# Altium PCB FPGA_SHIELD_MARK1_Single_Side.PcbDoc (part 1 of 3) (continued)
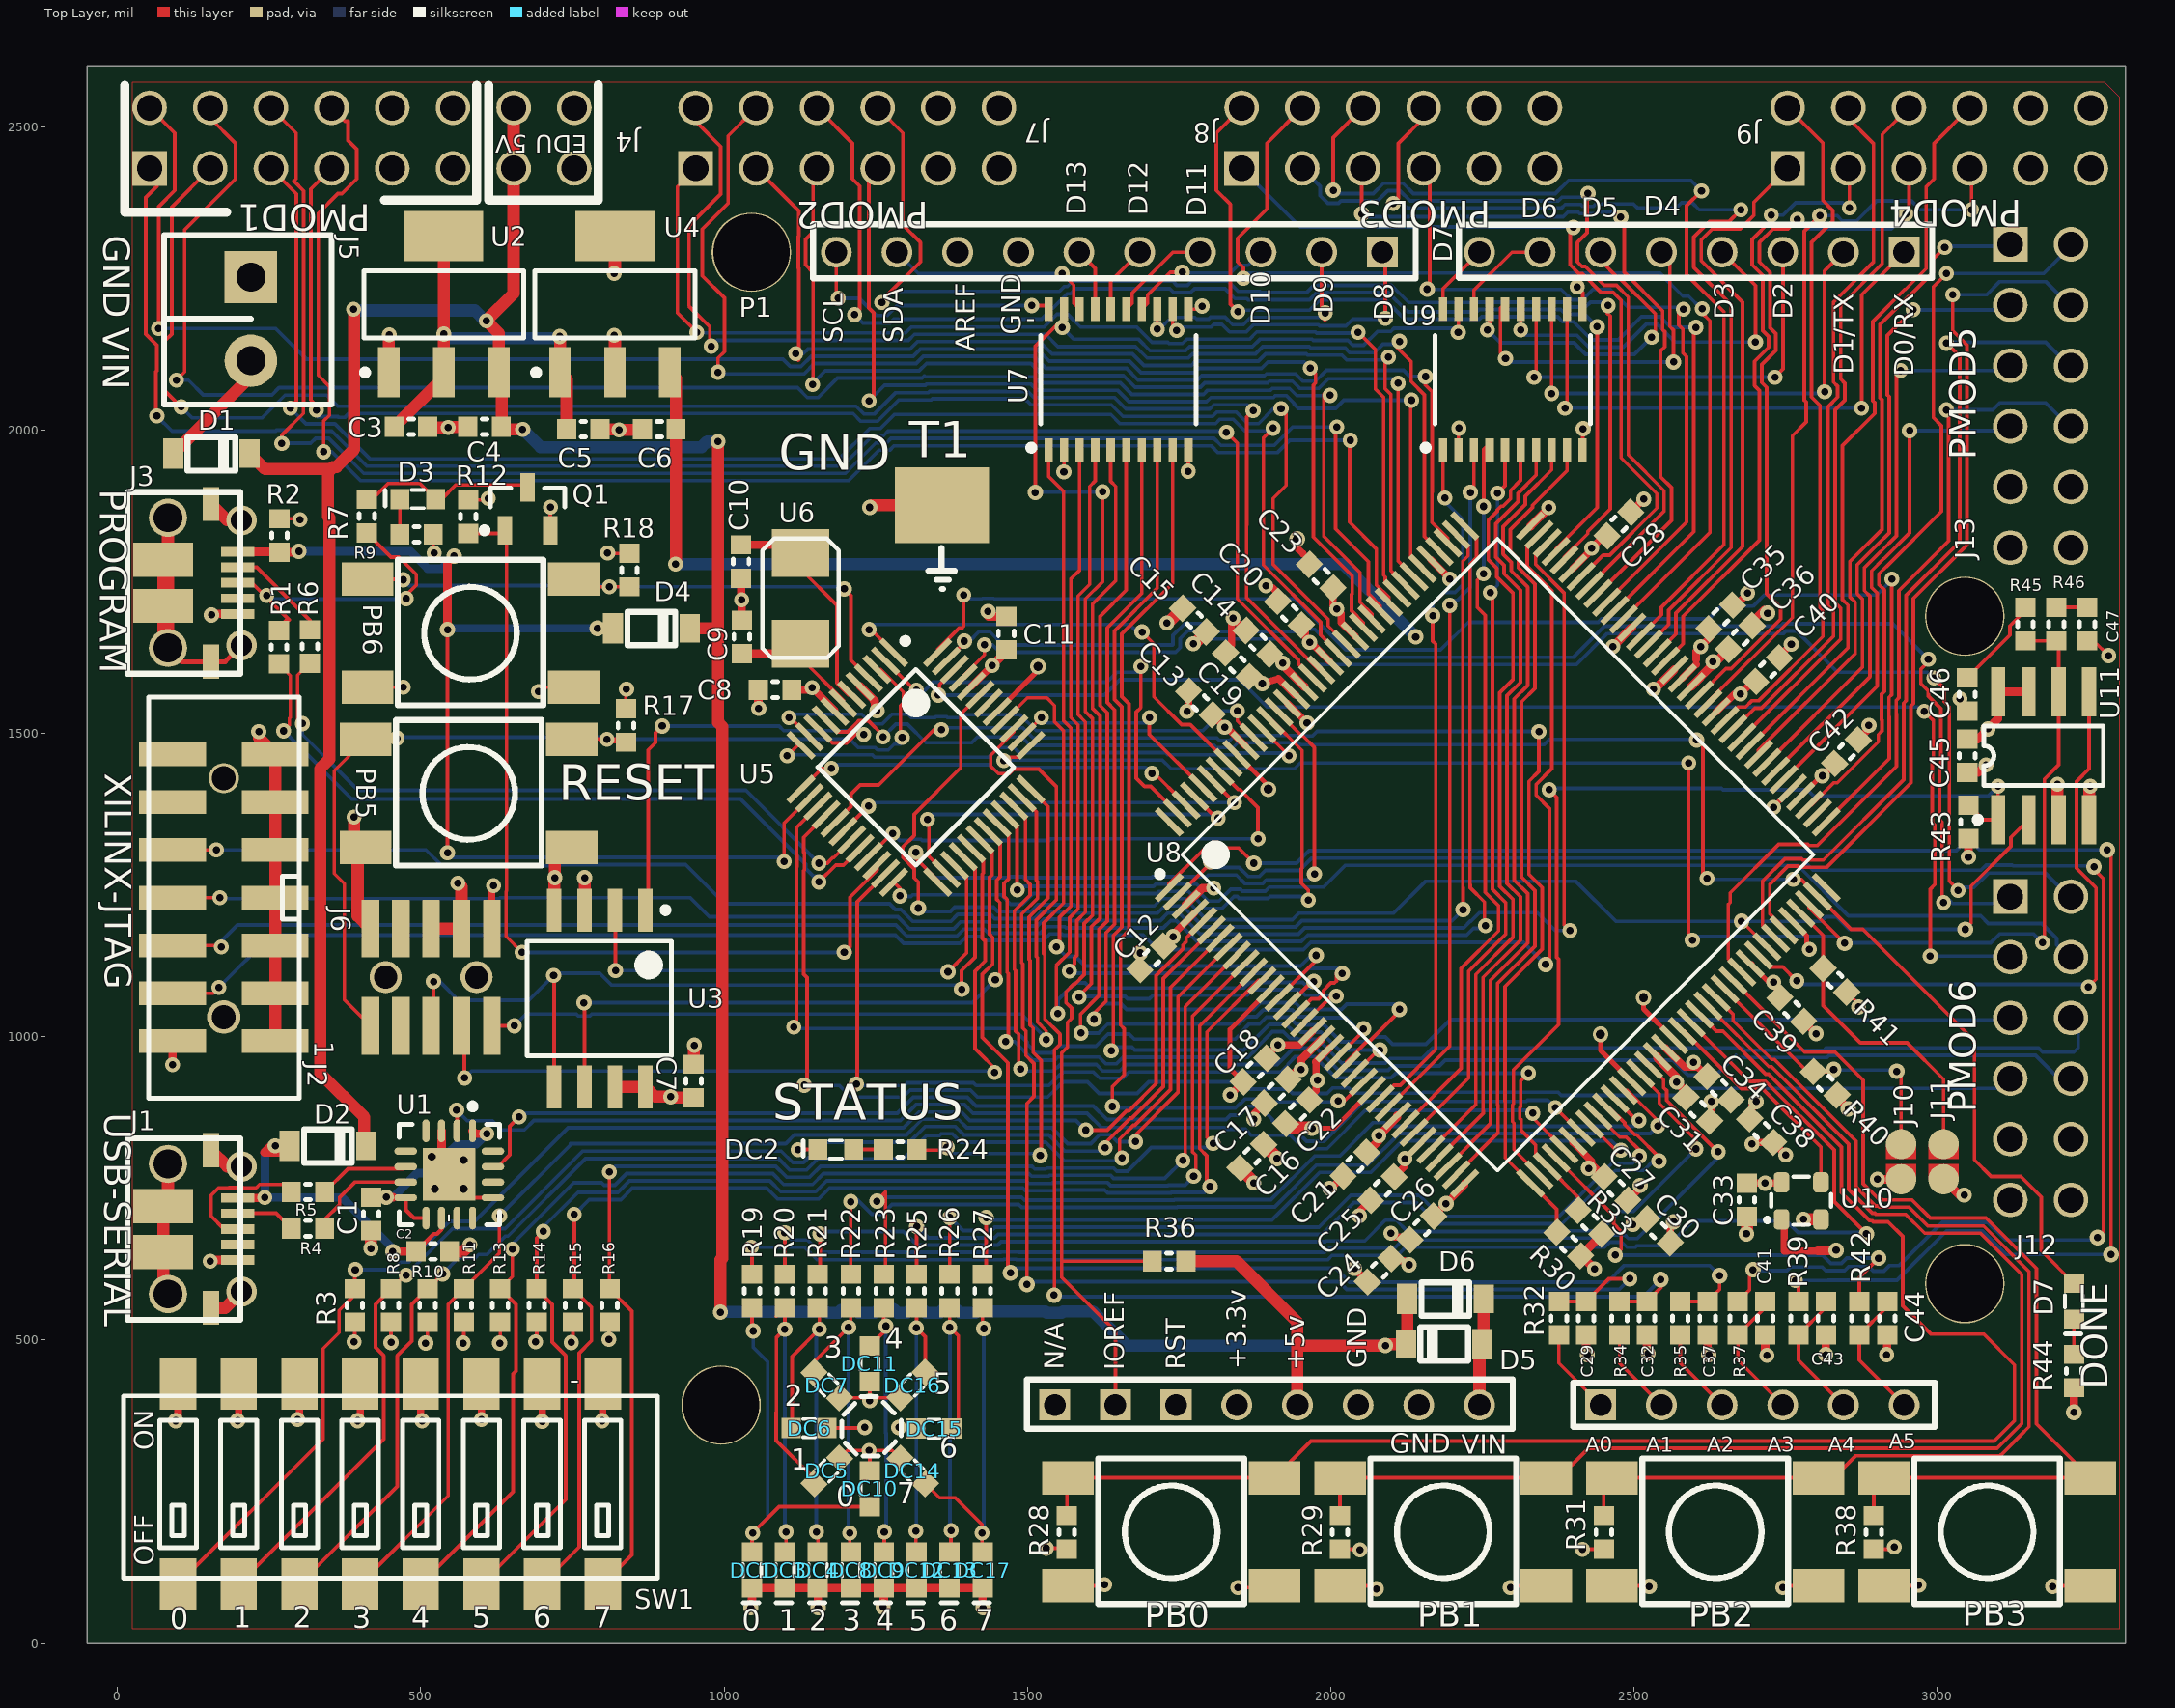
[diagram p0: Top Layer view]
## Footprints (in the part's own frame and the unit in brackets; to place one, negate y for a bottom-side part, rotate by r counter-clockwise, add the part's x,y. Pads: shape width x height; smd on the part's side, far side on the other; paste and mask are expansions set on the pad) (continued)
  silkscreen extent -10.7,-9.35 9.35,9.55, body extent -11.01,-11.01 11.02,11.02, height 1.6
TSQFP50P900X900X145-48L [mm] "TSQFP, 48-Leads, Body 9.1x9.1mm (max), Pitch 0.50mm, IPC High Density"
  rect 1.5x0.25 smd: 1(-4.05,2.75) 2(-4.05,2.25) 3(-4.05,1.75) 4(-4.05,1.25) 5(-4.05,0.75) 6(-4.05,0.25) 7(-4.05,-0.25) 8(-4.05,-0.75) 9(-4.05,-1.25) 10(-4.05,-1.75) 11(-4.05,-2.25) 12(-4.05,-2.75) 25(4.05,-2.75) 26(4.05,-2.25) 27(4.05,-1.75) 28(4.05,-1.25) 29(4.05,-0.75) 30(4.05,-0.25) 31(4.05,0.25) 32(4.05,0.75) 33(4.05,1.25) 34(4.05,1.75) 35(4.05,2.25) 36(4.05,2.75)
  rect 0.25x1.5 smd: 13(-2.75,-4.05) 14(-2.25,-4.05) 15(-1.75,-4.05) 16(-1.25,-4.05) 17(-0.75,-4.05) 18(-0.25,-4.05) 19(0.25,-4.05) 20(0.75,-4.05) 21(1.25,-4.05) 22(1.75,-4.05) 23(2.25,-4.05) 24(2.75,-4.05) 37(2.75,4.05) 38(2.25,4.05) 39(1.75,4.05) 40(1.25,4.05) 41(0.75,4.05) 42(0.25,4.05) 43(-0.25,4.05) 44(-0.75,4.05) 45(-1.25,4.05) 46(-1.75,4.05) 47(-2.25,4.05) 48(-2.75,4.05)
  silkscreen extent -4.17,-2.9 2.9,3.55, body extent -4.5,-4.5 4.5,4.5, height 1.4
TSSOP20 [mm] "TSSOP20"
  rect 1x0.35 smd: 1(-2.95,2.925) 2(-2.95,2.275) 3(-2.95,1.625) 4(-2.95,0.975) 5(-2.95,0.325) 6(-2.95,-0.325) 7(-2.95,-0.975) 8(-2.95,-1.625) 9(-2.95,-2.275) 10(-2.95,-2.925) 11(2.95,-2.925) 12(2.95,-2.275) 13(2.95,-1.625) 14(2.95,-0.975) 15(2.95,-0.325) 16(2.95,0.325) 17(2.95,0.975) 18(2.95,1.625) 19(2.95,2.275) 20(2.95,2.925)
  silkscreen extent -2.97,-3.25 1.85,3.77, body extent -3.14,-3.35 3.14,3.25, height 1.04

## Part data
C1 C2 C3 C4 C7 C8 C11 C29 C32 C33 C37 C41 C43 C44 C45 C46 C47: library part GRM188R71H104KA93D, "CAP CER .1UF 50V 10% X7R 0603"
C5 C6 C12 C13 C15 C16 C21 C22 C24 C26 C28 C30 C31 C34 C36 C38: library part GRM188R60J475KE19D, "CAP CER 4.7UF 6.3V X5R 0603"
C9 C10: library part GRM1885C1H180JA01D, "CAP CER 18PF 50V 5% C0G 0603"
C14 C17 C18 C19 C20 C23 C25 C27 C35 C39 C40 C42: library part GCM188R71E474KA64D, "CAP CER .47UF 25V X7R 0603"
D1 D2 D4 D5 D6: "DIODE SCHOTTKY 25V 1A SOD123"
D3 DC1 DC2 DC3 DC4 DC5 DC6 DC7 DC8 DC9 DC10 DC11 DC12 DC13 DC14 DC15 DC16 DC17: library part APT1608CGCK
D7: "LED 1.6X0.8MM 570NM GRN CLR SMD"
J1 J3: library part "10103594-0001LF - USB Micro", "CONN RCPT STD MICRO USB TYPE B"
J2: library part XILINX_JTAG, "CONN HEADER 14POS 2MM VERT SMD"
J4: library part "P-MOD - SSQ-108-02-G-D-RA-005", "SAMTEC - SSQ-108-02-G-D-RA-005 - 2MM SOCKET STRIPS"
J5: "TERM BLOCK 2POS SIDE ENT 3.5MM"
J6: library part "Cortex SWD  Connector", "Cortex SWD Connector"
J7 J8 J9 J12 J13: library part "P-MOD - SSQ-106-02-G-D-RA-005", "SAMTEC - SSQ-106-02-G-D-RA-005 - 2MM SOCKET STRIPS"
J10 J11: "Solder/Configuration Jumper"
P1: library part "Arduino Shield", "Arduino Duem Header"
PB0 PB1 PB2 PB3 PB5 PB6: library part FSM4JSMATR, "SWITCH TACTILE SPST-NO 0.05A 12V"
Q1: "MOSFET P-CH 30V 900MA SSOT3"
R1 R4 R5 R6: library part ERJ-3EKF33R0V, "RES 33.0 OHM 1/10W 1% 0603 SMD"
R2 R3 R8 R10 R11 R12 R13 R14 R15 R16 R17 R18 R28 R29 R30 R31 R32 R33 R34 R35 R38 R40 R41 R43: library part ERJ-3EKF1002V, "RES 10.0K OHM 1/10W 1% 0603 SMD"
R7: library part ERJ-3EKF1501V, "RES 1.50K OHM 1/10W 1% 0603 SMD"
R9 R19 R20 R21 R22 R23 R24 R25 R26 R27 R37 R39 R42 R44 R45 R46: library part ERJ-3EKF2000V, "RES 200 OHM 1/10W 1% 0603 SMD"
R36: library part ERJ-3GEY0R00V, "RES ZERO OHM 1/10W 5% 0603 SMD"
SW1: "SWITCH DIP SPST EXT ACT 8POS SMD"
T1: library part 5016
U1: library part FT230XQ-R, "IC USB SERIAL BASIC UART QFN-16"
U2: "IC REG LDO 3.3V 950MA SOT-223"
U3: library part M25PE16-VMW6TG, "IC FLASH 16MBIT 75MHZ 8SOIC"
U4: "IC LDO REG 1A 1.2V SOT223-3"
U5: "IC MCU 32BIT 32KB FLASH 48LQFP"
U6: library part ABM3-12.000MHZ-B2-T, "CRYSTAL 12.000MHZ 18PF SMD"
U7 U9: "IC 8-BIT TRNSTR 15KV ESD 20TSSOP"
U8: "IC FPAG SPARTAN 6 9K 144TQFP"
U10: "OSC MEMS 50.000 MHZ SMD"
U11: "IC FLASH 4MBIT 75MHZ 8SOIC"

## Via types
v1: diameter 25, hole 12, Top Layer to Bottom Layer, tented both sides, 386 vias
v2: diameter 25, hole 12, Top Layer to Bottom Layer, 37 vias
v3: diameter 26, hole 12, Top Layer to Bottom Layer, 16 vias
v4: diameter 26, hole 12, Top Layer to Bottom Layer, tented both sides, 12 vias
v5: diameter 26, hole 15, Top Layer to Bottom Layer, 5 vias
v6: diameter 25.98, hole 12.99, Top Layer to Bottom Layer, tented both sides, 4 vias

## Nets (pads, with @x,y where several pads share a name; then routed paths per layer and width w, separated by ;. In a path a pad name is that pad's centre, name@x,y a point inside that pad or via, vN(x,y) a via of type N, cw(c..) or ccw(c..) an arc to the next point about the centre after c; other vN are vias at no path point)
1V2: C6.2 C14.2 C17.2 C21.2 C31.2 C36.2 U4.3 U8.19 U8.28 U8.52 U8.89 U8.128 | length 4700.6
  Top Layer w14: v1@1925.95,1607.29 U8.128@1956.25,1577 ; C17.2@1929.49,929.49 1946,946 v2(1951,946) 1951,962.08 U8.19@1984.08,995.16 ; C21.2@2059.49,809.49 2079,829 v2(2079,837) ; v2(2079,837) 2109.36,867.4 U8.28@2109.36,869.89 ; U8.52@2538.08,967.33 2538.08,964.83 2570,932.91 v1(2570,925) 2585.51,909.49 C31.2@2585.51,899.49 ; U8.89@2593.76,1577 v1@2626.76,1610 ; v1(2630,1618) 2635,1618 C36.2@2655.51,1638.51
  Top Layer w20: U4.3@910.55,2094.8 920.56,2084.79 C6.2@920.56,2001 920.56,1779.56 v2(920,1779)
  VCC w14: v1(1921,1616) 1988.33,1548.67 2063.17,1548.67 ; v2(1951,946) 1951,946.06 2043.44,1038.5 2043.5,1038.5 2090.5,1085.5 2090.5,1521.35 2063.17,1548.67 ; v2(2079,837) 2300.5,1058.5 2340,1058.5 ; v2(2140,1659) 2140,1625.5 ; 2241.09,1528.5 2353.56,1528.5 2377.97,1504.09 2516.09,1504.09 v1(2630,1618) ; v1(2570,925) 2570,941 2452.5,1058.5 2340,1058.5 ; 2063.17,1548.67 2140,1625.5 ; 2140,1625.5 2328.5,1437 2328.5,1108.44 2340,1096.94 2340,1058.5
  Bottom Layer w20: v2(920,1779) 2020,1779 v2(2140,1659)
3V3: C3.2 C5.2 C7.2 C8.2 C11.2 C12.2 C13.2 C15.2 C16.2 C18.2 C19.2 C20.2 C22.2 C23.2 C24.2 C25.2 C26.2 C27.2 C28.2 C30.2 C33.2 C34.2 C35.2 C38.2 C39.2 C40.2 C42.2 C45.1 C47.2 J2.2 J4.6 J4.12 J6.1 J7.6 J7.12 J8.6 J8.12 J9.6 J9.12 J12.6 J12.12 J13.6 J13.12 P1.A2 P1.D8 Q1.2 R12.2 R17.1 R18.1 R28.2 R29.2 R30.2 R31.2 R33.2 R38.2 R40.1 R41.2 R43.2 SW1.B1 SW1.B2 SW1.B3 SW1.B4 SW1.B5 SW1.B6 SW1.B7 SW1.B8 U2.2 U2.4 U3.3 U3.7 U3.8 U4.1 U5.8 U5.44 U7.2 U7.10 U8.4 U8.18 U8.20 U8.31 U8.36 U8.42 U8.53 U8.63 U8.76 U8.86 U8.90 U8.103 U8.122 U8.125 U8.129 U8.135 U9.2 U9.10 U10.1 U10.4 U11.3 U11.7 U11.8 | length 4297.5
  Top Layer w6: R12.2@578,1884.56 608.56,1884.56 v1(611,1887) ; Q1.2@713.4,1834.57 713.4,1872.4 v1(714,1873) ; v1(808,1797) 808.44,1796.56 R18.1@844,1796.56 ; R17.1@838,1540.56 838,1572 v1(839,1573) ; v1(1531,157) 1563.44,157 R28.2@1565,155.44 ; v1(1560,1931) 1560.43,1931.43 U7.2@1560.43,1966.86 ; v1(1765,1932) 1765.16,1932.16 U7.10@1765.16,1966.86 ; R29.2@2015,155.44 2046.56,155.44 v1(2048,154) ; U9.2@2210.43,1966.86 2210.43,2002.43 v1(2211,2003) ; v1(2415,155) 2415.44,155.44 R31.2@2450,155.44 ; U9.10@2415.16,1966.86 2415.16,2001.16 v1(2416,2002) ; C39.2@2740.51,1064.49 C39.2@2746.52,1070.5 ; R41.2@2850.49,1073.51 2870,1054 v2(2870,1049) ; R38.2@2895,155.44 2925.44,155.44 v1(2929,159) ; C47.2@3247,1652.44 3257.56,1652.44 v1(3282,1628)
  Top Layer w8: U8.63@2694.56,1120.44 U8.63@2691.19,1120.44 v1@2721.63,1090 ; U8.76@2774.71,1396.04 v1@2808.66,1430
  Top Layer w12: v1(96,367) 100,371 SW1.B1@100,428 ; v1(198,367) 200,369 SW1.B2@200,428 ; v1(297,369) 300,372 SW1.B3@300,428 ; v1(396,367) 400,371 SW1.B4@400,428 ; SW1.B5@500,428 500,369 v1(502,367) ; v1(600,369) SW1.B6@600,428 ; J6.1@617,1178 617,1246 v2(620,1249) ; v1(700,366) SW1.B7@700,428 ; v1(799,367) 800,368 SW1.B8@800,428 ; v1(1145,1575) U5.8@1182.37,1537.63 ; U5.44@1407.87,1577.87 v1(1442,1612) ; C12.2@1724.49,1149.49 v1@1745,1170 ; v1(1740,1165) v1@1745,1170 ; U8.4@1775.29,1203.96 1745,1173.66 v1@1745,1170 ; C15.2@1797.41,1664.44 C15.2@1801.49,1668.51 ; C13.2@1804.49,1530.51 v1(1825,1510) 1828.37,1510 U8.135@1858.81,1479.56 ; C19.2@1866.49,1602.51 v1(1887,1582) 1913.46,1590 1940.38,1563.08 U8.129@1942.33,1563.08 ; C18.2@1894.49,964.49 1894.49,968.49 v2(1912.65,986.65) 1947.73,986.65 U8.18@1970.17,1009.08 ; C22.2@1964.49,899.49 1975.5,910.5 1975.5,957.15 1975,957.65 1975,958.24 U8.20@1998,981.24 ; C20.2@1964.49,1680.51 1958,1674.02 1958,1657 v1(1965,1650) 1966.76,1650 U8.125@1998,1618.75 ; C23.2@2003.49,1739.51 2003.49,1711.51 v1(2010,1705) 2017.32,1697.68 2017.32,1682.95 U8.122@2039.76,1660.51 ; C24.2@2099.49,634.49 2103.43,630.55 2122.45,630.55 v1(2129,624) v1@2129,630.55 ; C25.2@2104.49,769.49 2122,787 v2(2122,799) 2123.5,800.5 v2@2125.5,800.5 ; C26.2@2165.48,700.48 C26.2@2169.49,704.49 v1(2190,725) 2220.71,755.71 U8.36@2220.71,758.53 ; U8.42@2398.88,828.13 2398.88,826.12 2430,795 ; U8.103@2398.88,1771.87 2430,1802.99 v1(2430,1805) 2450.51,1825.51 C28.2@2455.51,1825.51 ; v1(2425,783) 2425,790 2430,795 ; C27.2@2454.52,765.48 C27.2@2450.51,769.49 2430,790 2430,795 ; v1@2492,695.55 v1@2492,689 ; v1(2497.87,690.46) 2493.46,690.46 v1@2492,689 ; C30.2@2520.51,699.49 2516.57,695.55 2498.55,695.55 v1@2492,689 ; U8.53@2552,981.24 2583.24,950 v1@2590,950 ; U8.90@2579.84,1590.92 2602.27,1613.36 ; v1(2598,958) v1@2590,950 ; 2602.27,1621.36 2602.27,1635.27 v1(2610,1643) 2625.51,1658.51 C35.2@2625.51,1668.51 ; C34.2@2624.52,930.48 C34.2@2620.51,934.49 2605,950 v1@2590,950 ; U8.86@2635.51,1535.24 2665.27,1565 v1(2675,1565) 2695.51,1585.51 C40.2@2700.51,1585.51 ; C33.2@2686,758.56 v1(2716,758.56) 2741.54,758.56 U10.4@2743,760.02 ; C38.2@2690.51,864.49 2694.45,868.43 2694.45,886.45 v1(2701,893) v1@2694.45,893 ; v1(2730,1090) 2725,1090 2740.51,1074.49 C39.2@2740.51,1064.49 ; U10.1@2743,699 2747.44,694.56 2747.44,647 2802.56,647 ; v1@2808.66,1430 v1(2810,1430) C42.2@2830.51,1450.51
  Top Layer w14: J2.2@90.71,993 90.71,954.29 v1(91,954) ; C8.2@1111.56,1572 1142,1572 v1(1145,1575) ; v1(1442,1612) 1465,1635 C11.2@1465,1637.44 ; v1(2435,617) 2413.49,638.51 R30.2@2411.49,638.51 2446.55,673.57 R33.2@2446.55,674.99 ; 2802.56,647 2832,647 v2(2833,648) ; R40.1@2834.49,903.51 2834.49,899.51 v2(2853,881) ; C45.1@3049,1490.56 3066.56,1490.56 v1(3083.28,1507.28) 3100,1524 U11.8@3100,1568.32 U11.7@3150,1568.32 ; v1(3051,1296) R43.2@3051,1326.44
  Top Layer w20: C3.2@456.44,2005 538,2086.56 v1(538,2158) U2.4@538,2323.2 ; v1(729,2154) 729.45,2153.55 U4.1@729.45,2094.8 740.44,2083.8 C5.2@740.44,2001 ; U3.3@770,1208.67 v1(770,1262) ; U3.7@820,917.33 U3.8@870,917.33 886.33,901 v1(912,901) 913.56,899.44 C7.2@950,899.44 ; v2(1773.36,1647.5) 1775.08,1647.5 C15.2@1794.72,1667.13 ; C16.2@1889.49,822.49 1911.26,800.72 v2(1911.26,799.19) ; v1(3198,1416) 3198,1359.69 U11.3@3200,1357.69
  Bottom Layer w20: v1(538,2158) 544.5,2151.5 726.5,2151.5 v1(729,2154)
  other v2: 1978,928
+5V_USB: D4.2 J3.1 R2.2 U5.14 | length 1827.3
  Top Layer w6: v1(544,1303) v4(544,1671) ; v1(1099,1289) 1099,1352.27 U5.14@1140.62,1393.89
  Top Layer w14: J3.1@199.29,1799.18 266.26,1799.18 R2.2@267,1798.44 297.44,1798.44 v1(299,1800) ; v4(544,1671) 544,1781 v1(555,1792) ; v4(791,1673) D4.2@817.01,1673
  Bottom Layer w6: v1(544,1303) 551.5,1295.5 1092.5,1295.5 v1(1099,1289)
  Bottom Layer w14: v1(299,1800) 482.94,1800 511.44,1771.5 534.5,1771.5 v1(555,1792) ; v4(544,1671) 546,1673 v4(791,1673)
+5V_USB_FTDI: C2.2 D2.2 J1.1 U1.10 | length 562.4
  Top Layer w7: C2.2@492.44,646 521.44,675 527,675 534.2,682.2 U1.10@534.2,701.15
  Top Layer w14: J1.1@199.29,734.18 242.18,734.18 v1(243,735) ; v1(260,820) 253,820 242,809 D2.2@280.83,809 ; v1(454,646) C2.2@487.44,646
  Bottom Layer w14: v1(260,820) 253,820 242,809 243,808 v1(243,735) 370.06,735 454,651.06 v1(454,646)
ADD/D\A\T\A\: U5.25 U8.131 | length 1061.3
  Top Layer w6: v1(1316,1304) 1311,1299 1352.19,1257.81 U5.25@1352.19,1254.7 ; U8.131@1914.49,1535.24 1914.49,1533.11 1952.09,1495.5 1954.23,1495.5 1973,1476.73 v1(1973,1268)
  Bottom Layer w6: v1(1316,1304) 1311,1299 1348,1262 1470.59,1262 1472.09,1263.5 1491.91,1263.5 1493.41,1262 1704.77,1262 1706.27,1263.5 1795.09,1263.5 1798.09,1266.5 1844.42,1266.5 1858.92,1252 1887.08,1252 1893.58,1258.5 1963.5,1258.5 v1(1973,1268)
AN0: P1.B1 R32.2 | length 144
  Top Layer w6: R32.2@2376,508.44 2376,462 P1.B1@2445,393
AN1: P1.B2 R34.2 | length 144
  Top Layer w6: R34.2@2476,508.44 2476,462 P1.B2@2545,393
AN2: P1.B3 R35.2 | length 144
  Top Layer w6: R35.2@2576,508.44 2576,462 P1.B3@2645,393
DIP_SW0: R3.2 SW1.A1 U8.5 | length 2410.1
  Top Layer w6: SW1.A1@100,98 339,337 339,486 365.27,512.27 365.27,548.92 388,571.65 388,581.56 R3.2@391,584.56 391,615 v1(392,616) ; v1(1596,846) 1631.41,846 1663.34,877.94 1667.15,877.94 1712,922.79 1712,1100.61 1756.45,1145.06 1756.45,1151.05 1761.5,1156.09 1761.5,1162.33 U8.5@1789.21,1190.04
  Bottom Layer w6: v1(392,616) 454.41,616 455.5,617.09 466.86,628.46 480.3,628.46 547.34,695.5 588.56,695.5 743.06,850 1295.59,850 1321.59,876 1391.02,876 1405.02,862 1580,862 v1(1596,846)
DIP_SW1: R8.2 SW1.A2 U8.6 | length 2357.6
  Top Layer w6: SW1.A2@200,98 439,337 439,474.23 425.27,487.96 425.27,558.83 R8.2@451,584.56 473.4,606.96 v1(475.77,606.96) ; v1(1628,817) 1628,824.38 1669.56,865.94 1672.12,865.94 1724,917.82 1724,1095.64 1803.13,1174.77 U8.6@1803.13,1176.12
  Bottom Layer w6: v1(475.77,606.96) 552.31,683.5 638.91,683.5 766.91,811.5 1094.09,811.5 1113.09,792.5 1130.91,792.5 1164.41,826 1305.53,826 1331.53,852 1381.08,852 1395.08,838 1535.08,838 1561.58,811.5 1622.5,811.5 v1(1628,817)
DIP_SW2: R10.2 SW1.A3 U8.7 | length 2294.1
  Top Layer w6: SW1.A3@300,98 461,259 461,474.23 485.27,498.5 485.27,558.83 R10.2@511,584.56 511.56,584.56 v1(536,609) ; v1(1656,800) 1652,804 1652,831.41 1674.53,853.94 1677.09,853.94 1736,912.85 1736,1081.15 U8.7@1817.05,1162.2
  Bottom Layer w6: v1(536,609) 562.5,635.5 589.91,635.5 595.41,641 609,641 639.5,671.5 643.88,671.5 771.38,799 1089.62,799 1108.12,780.5 1135.88,780.5 1153.88,798.5 1295,798.5 1333.61,837.11 1355,837.11 1357.89,840 1376.11,840 1390.11,826 1530.11,826 1560.61,795.5 1651.5,795.5 v1(1656,800)
DIP_SW3: R11.2 SW1.A4 U8.8 | length 2237.9
  Top Layer w6: SW1.A4@400,98 545.27,243.27 545.27,558.83 R11.2@571,584.56 629.5,643.06 629.5,704.5 v1(630,705) ; v1@1672.56,832.44 v1(1678,827) 1678,837.88 1748,907.88 1748,1065.31 U8.8@1830.97,1148.28
  Bottom Layer w6: v1(630,705) 748.88,823.88 ; 746.88,823.88 748.88,823.88 ; v1(1678,827) 1648.41,827 1636.91,838.5 1619.09,838.5 1604.47,823.88 1566.18,823.88 1540.05,850 1400.05,850 1386.05,864 1326.56,864 1300.56,838 1115.59,838 1101.47,823.88 748.88,823.88
DIP_SW4: R13.2 SW1.A5 U8.9 | length 2207.4
  Top Layer w6: SW1.A5@500,98 652,250 652,444.27 656.73,449 656.73,558.83 R13.2@631,584.56 651,604.56 v1(651,650) ; v1(1756,796) 1760,800 1760,1049.47 U8.9@1844.89,1134.36
  Bottom Layer w6: v1(651,650) 651,658.41 751.89,759.3 798.3,759.3 802.09,755.5 819.91,755.5 838.91,774.5 1080.18,774.5 1098.18,756.5 1145.82,756.5 1163.82,774.5 1502.42,774.5 1506.92,770 1535.08,770 1536.58,771.5 1637.12,771.5 1642.12,766.5 1726.5,766.5 v1(1756,796)
DIP_SW5: R14.2 SW1.A6 U8.10 | length 2190
  Top Layer w6: SW1.A6@600,98 739,237 739,474.23 716.73,496.5 716.73,558.83 R14.2@691,584.56 691,668 v1(702,679) ; v1(1774,770) 1777.5,773.5 1777.5,804.91 1772,810.41 1772,1033.63 U8.10@1858.81,1120.44
  Bottom Layer w6: v1(702,679) 702,686.41 759.09,743.5 824.88,743.5 843.88,762.5 1075.21,762.5 1093.21,744.5 1150.79,744.5 1168.79,762.5 1497.45,762.5 1501.95,758 1540.05,758 1541.55,759.5 1632.15,759.5 1637.15,754.5 1731.47,754.5 1732.47,755.5 1759.5,755.5 v1(1774,770)
DIP_SW6: R15.2 SW1.A7 U8.11 | length 2143.4
  Top Layer w6: SW1.A7@700,98 761,159 761,478.59 781.5,499.09 781.5,554.06 R15.2@751,584.56 753,586.56 v1(753,707) ; v1(1801,753) 1795.5,758.5 1795.5,803.88 1784,815.38 1784,1017.79 U8.11@1872.73,1106.52
  Bottom Layer w6: v1(753,707) 777.5,731.5 829.85,731.5 848.85,750.5 1070.24,750.5 1088.24,732.5 1155.76,732.5 1173.76,750.5 1492.48,750.5 1496.98,746 1545.02,746 1546.52,747.5 1627.18,747.5 1632.18,742.5 1736.44,742.5 1737.44,743.5 1791.5,743.5 v1(1801,753)
DIP_SW7: R16.2 SW1.A8 U8.12 | length 2065.3
  Top Layer w6: SW1.A8@800,98 848,146 848,547.56 R16.2@811,584.56 v1(811,777) ; v1(1806,824) 1796,834 1796,1008 1880.6,1092.6 U8.12@1886.65,1092.6
  Bottom Layer w6: v1(811,777) 820.5,786.5 1085.15,786.5 1103.15,768.5 1140.85,768.5 1158.85,786.5 1507.39,786.5 1511.89,782 1530.11,782 1531.61,783.5 1642.09,783.5 1647.09,778.5 1664.91,778.5 1703.91,817.5 1799.5,817.5 v1(1806,824)
F_CS: U3.1 U5.10 | length 748.8
  Top Layer w6: U3.1@870,1208.67 875,1213.67 875,1472.59 886.94,1484.54 886.94,1500.94 v1(898,1512) ; U5.10@1154.53,1508.03 1178.56,1484 1201.96,1484 1216.96,1499 1231,1499 v1(1230,1498)
  Bottom Layer w6: v1(898,1512) 1090.59,1512 1098.09,1504.5 1225.5,1504.5 1231,1499 v1(1230,1498)
FPGA_DAC0: C41.1 P1.B4 R37.1 | length 219.9
  Top Layer w6: C41.1@2716,563.56 2716,553.65 2671,508.65 R37.1@2671,508.44 2671,467 P1.B4@2745,393
FPGA_DAC1: C43.1 P1.B5 R39.1 | length 219.9
  Top Layer w6: C43.1@2816,563.56 2816,553.65 2771,508.65 R39.1@2771,508.44 2771,467 P1.B5@2845,393
FPGA_DAC2: C44.1 P1.B6 R42.1 | length 220.3
  Top Layer w6: C44.1@2917,563.56 2917,554.44 R42.1@2871,508.44 2871,467 P1.B6@2945,393
FPGA_MODE0: J11.1 R41.1 U8.69 | length 523.5
  Top Layer w6: U8.69@2774.71,1203.96 2811.51,1167.15 R41.1@2811.51,1112.49 2811.51,1051.49 2873,990 2950,990 3010,930 J11.1@3010,823
FPGA_MODE1: J10.1 R40.2 U8.60 | length 466.7
  Top Layer w6: U8.60@2649.43,1078.68 2785.63,942.49 R40.2@2795.51,942.49 2827.49,942.49 2829,944 v4(2829,946) ; v4(2933,943) 2940,936 J10.1@2940,823
  Bottom Layer w6: v4(2829,946) 2830,945 2931,945 v4(2933,943)
FPGA_SLAVE_CFG_CCLK: R45.2 R46.1 U5.37 U8.70 U11.6 | length 2734.8
  Top Layer w6: v1(1461,1455) 1466.75,1460.75 1485.86,1460.75 U5.37@1505.3,1480.19 ; v1(2590,1451) 2590,1165 v1(2596,1159) ; U8.70@2788.63,1217.88 2788.63,1212.37 v3(2847,1154) ; R45.2@3145,1652.44 R46.1@3196,1652.44 3200,1648.44 U11.6@3200,1568.32 3200,1448.41 3176.5,1424.91 3176.5,1158.5 v1(3173,1155)
  Bottom Layer w6: v1(1461,1455) 1462,1456 1722.41,1456 1736.91,1441.5 1939.91,1441.5 1949.41,1451 v1(2590,1451) ; v1(2596,1159) 2602.5,1165.5 2835.5,1165.5 v3(2847,1154) 2847.5,1154.5 3087.81,1154.5 3102.81,1169.5 3158.5,1169.5 v1(3173,1155)
FPGA_SLAVE_CFG_DIN: U5.43 U8.65 U11.2 | length 2521.8
  Top Layer w6: v4(1320,1212) 1320,1255 1313.17,1261.83 1313.17,1276.43 1294.5,1295.09 1294.5,1312.91 1313.17,1331.57 1313.17,1366.57 1390,1443.41 1390,1531.92 U5.43@1421.79,1563.71 ; v4(2677,1190) 2677.31,1190 U8.65@2719.03,1148.28 ; v3(3046,1177) 3046,1178 3055.5,1187.5 3055.5,1248.29 3120.81,1313.6 3120.81,1328.5 U11.2@3150,1357.69
  Bottom Layer w6: v4(1320,1212) 1325.5,1206.5 1373.21,1206.5 1380.21,1213.5 1443.79,1213.5 1450.79,1206.5 1506.21,1206.5 1517.21,1217.5 1576.79,1217.5 1578.79,1215.5 1709.18,1215.5 1721.18,1227.5 1760.15,1227.5 1794.65,1193 1936.71,1193 1947.21,1203.5 2103.5,1203.5 2156,1256 2404,1256 2470,1190 v4(2677,1190) 2808.59,1190 2816.09,1197.5 2833.91,1197.5 2854.41,1177 v3(3046,1177)
FPGA_SUSPEND: U5.48 U8.73 | length 2192.3
  Top Layer w6: U5.48@1352.19,1633.3 1352.19,1638.6 1387.09,1673.5 1392.39,1673.5 1395,1676.11 v1(1395,1728) ; U8.73@2816.47,1354.29 2920.5,1458.32 2920.5,1526.88 2920,1527.38 2920,1559.32 2924.5,1563.82 2924.5,1753.5 v2(2925,1754)
  Bottom Layer w6: v1(1395,1728) 1401.5,1721.5 1425.09,1721.5 1426.09,1722.5 1443.91,1722.5 1444.91,1721.5 1940.88,1721.5 2024.88,1637.5 2181.09,1637.5 2227.09,1683.5 2227.59,1683 2440.65,1683 2446.15,1688.5 2623.09,1688.5 2661.09,1726.5 2678.09,1709.5 2695.91,1709.5 2714.41,1728 2900,1728 2925,1753 v2(2925,1754)
FTDI_RX: U1.2 U8.41 | length 1978.6
  Top Layer w6: v1(559,879) 559.8,878.2 U1.2@559.8,844.85 ; v1(2333,874) 2333,866.18 U8.41@2384.96,814.21
  Bottom Layer w6: v1(559,879) 576.5,861.5 617.91,861.5 632.91,846.5 670.91,846.5 686.41,862 1290.62,862 1316.62,888 1395.99,888 1409.99,874 1598.41,874 1621.91,850.5 1825.5,850.5 1828.5,847.5 1859.09,847.5 1869.09,837.5 1933.42,837.5 1935.5,835.42 1935.5,835.12 1955.12,815.5 1993.97,815.5 2056.97,878.5 2328.5,878.5 v1(2333,874)
FTDI_TX: U1.15 U8.43 | length 1968.8
  Top Layer w6: U1.15@618.85,785.8 627.13,785.8 646.55,805.21 646.55,852.55 v1(662,868) ; v1(2370,883) 2410.95,842.05 U8.43@2412.8,842.05
  Bottom Layer w6: v1(662,868) 668,874 1285.65,874 1311.65,900 1400.97,900 1414.97,886 1608.59,886 1631.09,863.5 1827.53,863.5 1834.53,870.5 1849.09,870.5 1864.09,885.5 1881.91,885.5 1903.5,863.91 1903.5,862.09 1916.09,849.5 1938.39,849.5 1947.5,840.39 1947.5,840.09 1960.09,827.5 1989,827.5 2055,893.5 2322.09,893.5 2324.09,895.5 2357.5,895.5 v1(2370,883)
GND: C1.1 C2.1 C3.1 C4.1 C5.1 C6.1 C7.1 C8.1 C9.1 C10.1 C11.1 C12.1 C13.1 C14.1 C15.1 C16.1 C17.1 C18.1 C19.1 C20.1 C21.1 C22.1 C23.1 C24.1 C25.1 C26.1 C27.1 C28.1 C29.2 C30.1 C31.1 C32.2 C33.1 C34.1 C35.1 C36.1 C37.2 C38.1 C39.1 C40.1 C41.2 C42.1 C43.2 C44.2 C45.2 C46.1 DC1.C DC2.C DC3.C DC4.C DC5.C DC6.C DC7.C DC8.C DC9.C DC10.C DC11.C DC12.C DC13.C DC14.C DC15.C DC16.C DC17.C J1.5 J2.1 J2.3 J2.5 J2.7 J2.9 J2.11 J2.13 J3.5 J4.5 J4.11 J5.1 J6.3 J6.5 J6.9 J7.5 J7.11 J8.5 J8.11 J9.5 J9.11 J10.2 J11.2 J12.5 J12.11 J13.5 J13.11 P1.A4 P1.A5 P1.D7 PB0.A PB1.A PB2.A PB3.A PB5.A PB6.A R2.1 R3.1 R8.1 R9.1 R10.1 R11.1 R13.1 R14.1 R15.1 R16.1 R44.2 T1.1 U1.3 U1.13 U1.17 U2.1 U3.4 U4.2 U4.4 U5.5 U5.41 U7.11 U8.3 U8.13 U8.25 U8.49 U8.54 U8.68 U8.77 U8.91 U8.96 U8.108 U8.113 U8.130 U8.136 U9.11 U10.2 U11.4 | length 7287.9
  Top Layer w6: R2.1@267,1853.56 299.44,1853.56 v1(301,1852) ; v1(390,497) 391,498 R3.1@391,529.44 ; PB6.A@412,1576 v1(471,1576) ; v1(451,496) R8.1@451,529.44 ; v1(508,495) 511,498 R10.1@511,529.44 ; R9.1@520.56,1828 520.56,1798.44 v1(522,1797) ; U1.17@547,773 585.39,734.61 U1.13@618.85,734.61 ; v1(570,495) 571,496 R11.1@571,529.44 ; v1(630,495) 631,496 R13.1@631,529.44 ; v1(689,497) 691,499 R14.1@691,529.44 ; v1(694,1569) 701,1576 PB6.A@752,1576 ; v1@748,495 v1(748,496) 751,499 R15.1@751,529.44 ; v1(810,501) 810,494 811,495 R16.1@811,529.44 ; v1(1122,814) DC2.C@1154.47,814 ; DC6.C@1169.53,355 1231,355 v1(1232,356) ; DC5.C@1190.17,305.17 1203,318 v1(1239,318) ; DC7.C@1190.17,404.83 1235.17,404.83 v1(1240,400) ; DC10.C@1240,284.53 1240,317 v1(1239,318) ; DC11.C@1240,431.47 v1(1240,400) ; v1(1288,356) 1290,354 DC15.C@1316.47,354 ; DC14.C@1289.83,305.17 1277,318 v1(1239,318) ; DC16.C@1289.83,404.83 1244.83,404.83 v1(1240,400) ; PB0.A@1567,95 1625,95 v1(1627,97) ; U7.11@1765.16,2199.14 1783.14,2199.14 v1(1788,2204) ; v1(1847,92) 1904,92 PB0.A@1907,95 ; PB1.A@2015.33,95 2070,95 v1(2075,90) ; v1(2296,92) 2299,95 PB1.A@2355.33,95 ; v1@2410,2240 v1(2405.92,2235.92) 2415.16,2226.68 U9.11@2415.16,2199.14 ; PB2.A@2463.67,95 2524,95 v1(2525,94) ; v1(2745,92) 2748,95 PB2.A@2803.67,95 ; PB3.A@2912,95 2968,95 v1(2969,96) ; v1@3028.44,1557 C46.1@3049,1536.44 ; v1(3190,94) 3191,95 PB3.A@3252,95
  Top Layer w8: J3.5@83.29,1640.72 105.93,1618.08 J3.5@154.16,1618.08 177.63,1618.08 J3.5@204.58,1645.03 ; U5.41@1449.63,1535.87 1515.59,1601.83 1515.59,1608.09 v5(1517.5,1610) ; U8.136@1844.89,1465.64 1897.02,1413.51 v5(1897.02,1407.81) ; C18.1@1855.51,925.51 1833.91,947.12 1833.91,1012.02 U8.13@1900.57,1078.68 ; v2(1969,849) 2004.95,849 U8.25@2067.6,911.65 ; v5(2444.65,1004.09) 2444.65,977.23 U8.49@2496.32,925.57 ; v5(2515.5,1064.49) 2515.5,1045.58 U8.54@2565.92,995.16 ; v1@2730,1379.18 U8.77@2760.79,1409.96 ; U8.68@2760.79,1190.04 2784.23,1166.6 2784.23,1148.77 v2(2789,1144)
  Top Layer w12: v1@1685,1145 v1@1683,1145 ; C12.1@1685.51,1110.51 1685.51,1142.49 v1@1683,1145 ; v1(1686,1138) 1686,1142 v1@1683,1145 ; v1(1763,1536) 1765.51,1538.51 C13.1@1765.51,1569.49 ; C19.1@1830.51,1639.49 1836.46,1645.43 1836.46,1687.46 v1(1839,1690) 1859.51,1669.49 C14.1@1860.51,1669.49 ; v1(1834,904) C18.1@1855.51,925.51 ; v1@1869,869 C17.1@1890.51,890.51 ; v1@1904,1740 1924.51,1719.49 C20.1@1925.51,1719.49 ; U8.130@1928.41,1549.16 1928.84,1549.16 v1(1961,1517) ; v5(1944.88,1820) 1944.88,1805.12 1954,1796 ; v1(1998,750) 2000,750 C21.1@2020.51,770.51 ; v1(2039,618) 2039,617.03 C24.1@2060.51,595.51 ; v1(2047,705) 2043,709 2064.51,730.51 C25.1@2065.51,730.51 ; v1@2099,673 v1(2099,676) 2105.55,669.45 2126.57,669.45 C26.1@2130.51,665.51 ; U8.113@2165.04,1785.79 2196.83,1754 v1(2196,1754) ; C27.1@2489.49,730.51 2510,751.03 v1(2510,755) ; C28.1@2494.49,1864.49 v1(2516,1886) ; C30.1@2559.49,660.51 2559.49,689.49 v1(2565,695) v1@2560,695 ; C31.1@2624.49,860.51 2627,863.03 v1(2627,893) ; C35.1@2664.49,1707.49 2687,1730 v1(2687,1731) ; v1@2694,827 v1(2694,823) 2696.51,825.51 C38.1@2729.49,825.51 v1(2750,805) ; C36.1@2694.49,1677.49 2694.49,1684.49 2714,1704 v1(2720,1698) ; C40.1@2739.49,1624.49 2739.49,1627.49 v1(2759,1647) ; C39.1@2779.49,1025.51 v1(2800,1005) ; C42.1@2869.49,1489.49 2891,1511 2891,1513 v1(2887,1513)
  Top Layer w14: v2(153,630) 154.82,631.82 J1.5@198.29,631.82 ; v2(155,1695) 156.82,1696.82 J3.5@198.29,1696.82 ; U1.3@534.2,844.85 534.2,785.8 U1.17@547,773 ; C10.1@1028,1755.44 1028,1721 v1(1029,1720) C9.1@1029,1686.56 ; v1(1044,59) 1046,61 DC1.C@1046,91.47 DC3.C@1100.29,91.47 DC4.C@1154.57,91.47 ; C8.1@1056.44,1572 1056.44,1541.56 v1(1057,1541) ; v1(1155,59) 1154.57,59.43 DC4.C@1154.57,91.47 ; U5.5@1224.13,1577.63 1248.5,1553.26 1248.5,1551.5 ; 1247,1553 1248.5,1551.5 ; v2(1252,1537) 1248.5,1540.5 1248.5,1551.5 ; v1(1262,60) 1263.14,61.14 DC9.C@1263.14,91.47 ; v1(1427,59) 1426,60 DC17.C@1426,91.47 DC13.C@1371.71,91.47 DC12.C@1317.43,91.47 DC9.C@1263.14,91.47 ; v1(1435,1701) 1435,1693 1435.44,1692.56 C11.1@1465,1692.56 ; U8.3@1761.37,1217.88 1788.5,1245 v2(1807,1245) ; U8.108@2329.29,1841.47 2359,1871.18 v1(2359,1872) ; C29.2@2421,508.44 2421,478 v2(2423,476) ; v1(2465,1643) 2465,1643.11 U8.96@2496.32,1674.43 ; C32.2@2521,508.44 2521,480 v2(2523,478) ; v1(2532,1573) 2534.08,1573 U8.91@2565.92,1604.83 ; C37.2@2621,508.44 2621,478 v2(2623,476) ; C41.2@2716,508.44 2716,478 v2(2719,475) ; v1(2730,1378) v1@2730,1379.18 ; v2(2816,476) C43.2@2816,508.44 ; v2(2901,765) J10.2@2940,765 ; v2(2916,476) 2917,477 C44.2@2917,508.44 ; J11.2@3010,765 3036,739 v2(3044,739) ; C45.2@3049,1435.44 3067.44,1435.44 v2(3080,1448) ; v3(3225,381) R44.2@3225,421.44 ; DC4.C@1154.57,91.47 DC8.C@1208.86,91.47 DC9.C@1263.14,91.47
  Top Layer w20: J3.5@75.42,1785.89 J3.5@75.42,1710.11 75.42,1648.59 J3.5@83.29,1640.72 J3.5@83.29,1855.28 ; J1.5@83.29,575.72 75.42,583.59 J1.5@75.42,645.11 J1.5@75.42,720.89 83.29,728.77 J1.5@83.29,790.28 ; J1.5@154.16,553.08 177.63,553.08 J1.5@204.58,580.03 ; J1.5@154.16,812.92 181.11,785.97 J1.5@204.58,785.97 ; J3.5@154.16,1877.92 181.11,1850.97 J3.5@204.58,1850.97 ; v1(233,1503) 233,1492.44 J2.13@260,1465.44 J2.11@260,1386.7 J2.9@260,1307.96 J2.7@260,1229.22 J2.5@260,1150.48 J2.3@260,1071.74 J2.1@260,993 ; v1(390,1362) 390,1319 396,1313 396,1199 J6.9@417,1178 ; v1(418,651) C1.1@418,680.44 ; U2.1@447.45,2098.8 447.45,2156.45 v1(448,2157) ; C3.1@511.56,2005 512.56,2004 v1(545,2004) 546,2005 C4.1@577.44,2005 ; J6.5@517,1178 J6.3@567,1178 567,1247 v1(561,1253) ; C2.1@547.56,646 570,646 v1(581,657) ; C4.1@578.44,2002.56 C4.1@578.44,2005 ; U3.4@720,1208.67 720,1261 v1(721,1262) 721,1298 PB5.A@736,1313 ; C5.1@795.56,2001 826,2001 v1(827,2000) 864.44,2000 C6.1@865.44,2001 ; v1(819,2156) 820,2155 U4.2@820,2094.8 ; v1(819,2258) 820,2259 U4.4@820,2319.2 ; C7.1@950,954.56 950,985 v1(951,986) ; v3(1240.04,1872.4) 1243.35,1875.72 T1.1@1359,1875.72 ; v2(1730,1682) 1731.63,1682 C15.1@1755.74,1706.11 C15.1@1755.74,1704.65 ; C16.1@1850.51,783.51 1873,761.03 v2(1873,759) ; C22.1@1925.51,856.51 1932.02,850 1968,850 v2(1969,849) ; v1(2685,675) 2686,676 C33.1@2686,703.44 ; v1(2779,699) U10.2@2807.96,699 ; U11.4@3250,1357.69 3250,1411 v1(3252,1413)
  other v1: 1873,864 3037,1557 1893,1743
  other v6: 523.38,749.38 570.62,749.38 570.62,796.62 518,802